# Allegro board 6089-103-RevA_73.brd (continued)
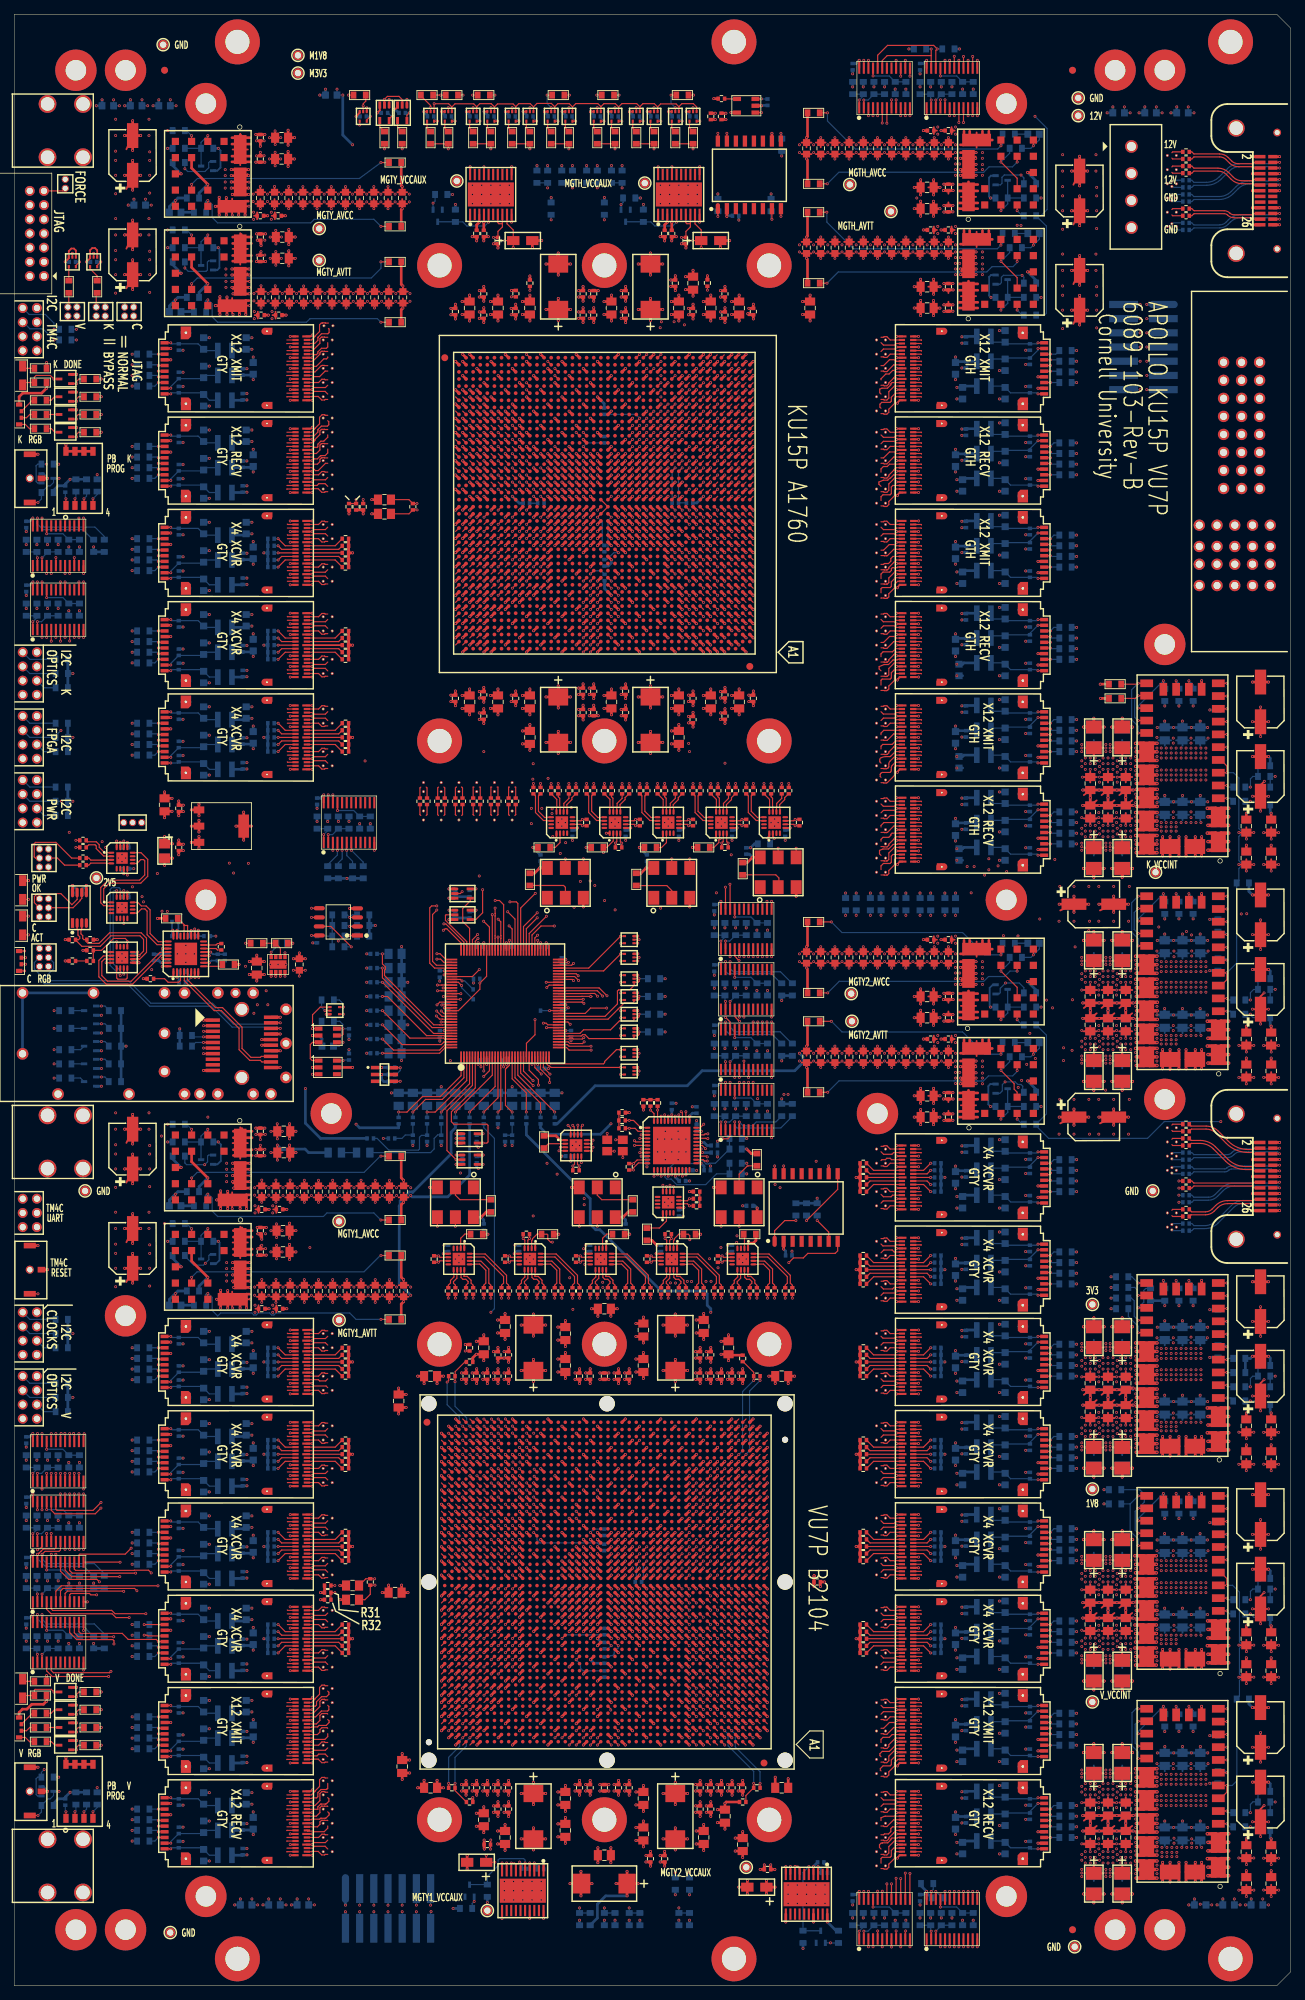
[diagram p0: board, top side]
## Routing (per net, layer and track width the routed paths; a pad name or vN(x,y) marks a point on that pad's centre or on a via; arc(x,y) is an arc through that point) (continued)
NK_FF2_XMIT0: length 36.8
  TOP w0.165: U65.AG7 98.17,214.87 ; 127.9,205.35 127.85,205.4 U106.B17
  SIG3 w0.083: 98.17,214.87 98.16,214.85 97.78,214.85 97.78,215.1 arc(97.78,215.13) 97.8,215.16 97.93,215.29 arc(97.96,215.31) 97.99,215.32 102.99,215.32 103.63,215.32 arc(104.8,215.09) 105.79,214.42 111.79,208.42 arc(112.92,207.66) 114.25,207.4 116.47,207.4 arc(116.51,207.38) 116.52,207.35 arc(116.54,207.31) 116.58,207.29 116.8,207.29 arc(116.84,207.31) 116.85,207.35 arc(116.87,207.38) 116.91,207.4 117.13,207.4 arc(117.17,207.38) 117.18,207.35 arc(117.2,207.31) 117.24,207.29 117.46,207.29 arc(117.5,207.31) 117.51,207.35 arc(117.53,207.38) 117.57,207.4 117.79,207.4 arc(117.83,207.38) 117.84,207.35 arc(117.86,207.31) 117.9,207.29 118.12,207.29 arc(118.16,207.31) 118.17,207.35 arc(118.19,207.38) 118.23,207.4 121.76,207.4 arc(122.54,207.24) 123.2,206.8 124,206.01 arc(124.55,205.64) 125.2,205.51 127.74,205.51 127.9,205.35
NK_FF2_XMIT1: length 30.8
  TOP w0.165: U65.AF5 100.17,213.87 ; 122.2,205.52 122.54,205.18 124.12,205.18 124.34,205.4 U106.A17
  SIG1 w0.083: 100.17,213.87 100.11,213.81 99.85,213.81 99.85,214.14 arc(99.86,214.17) 99.88,214.19 99.91,214.23 arc(99.94,214.25) 99.97,214.25 109.81,214.25 arc(110.8,214.05) 111.64,213.49 116.02,209.12 arc(116.04,209.07) 116.02,209.02 arc(115.99,208.97) 116.02,208.91 116.15,208.78 arc(116.2,208.76) 116.25,208.78 arc(116.3,208.8) 116.35,208.78 116.48,208.65 arc(116.5,208.6) 116.48,208.55 arc(116.46,208.5) 116.48,208.45 116.61,208.32 arc(116.66,208.3) 116.72,208.32 arc(116.77,208.34) 116.82,208.32 116.95,208.18 arc(116.97,208.13) 116.95,208.08 arc(116.93,208.03) 116.95,207.98 117.08,207.85 arc(117.13,207.83) 117.18,207.85 arc(117.23,207.87) 117.28,207.85 118.78,206.35 arc(119.4,205.94) 120.14,205.79 120.76,205.79 arc(120.9,205.76) 121.01,205.69 121.04,205.66 arc(121.19,205.55) 121.37,205.52 122.2,205.52
NK_FF2_XMIT2: length 36.7
  TOP w0.165: U106.B14 127.85,203.9 127.9,203.85 ; U65.AE7 98.17,212.87
  SIG3 w0.083: 127.9,203.85 127.74,204.01 124.48,204.01 arc(123.89,204.13) 123.39,204.47 123.28,204.57 arc(122.98,204.77) 122.64,204.84 118.56,204.84 arc(118.52,204.82) 118.5,204.78 arc(118.48,204.73) 118.44,204.71 118.23,204.71 arc(118.19,204.73) 118.17,204.78 arc(118.15,204.82) 118.11,204.84 117.91,204.84 arc(117.86,204.82) 117.84,204.78 arc(117.82,204.73) 117.78,204.71 117.58,204.71 arc(117.53,204.73) 117.51,204.78 arc(117.49,204.82) 117.45,204.84 117.25,204.84 arc(117.2,204.82) 117.18,204.78 arc(117.16,204.73) 117.12,204.71 116.92,204.71 arc(116.87,204.73) 116.85,204.78 arc(116.83,204.82) 116.79,204.84 115.29,204.84 arc(113.63,205.17) 112.22,206.11 arc(112.21,206.12) 112.2,206.12 105.75,212.58 arc(104.93,213.13) 103.96,213.32 97.97,213.32 arc(97.94,213.31) 97.91,213.29 97.83,213.21 arc(97.81,213.19) 97.81,213.16 97.81,212.81 98.11,212.81 98.17,212.87
NK_FF2_XMIT3: length 30.6
  TOP w0.165: U65.AD5 100.17,211.87 ; 122.2,203.52 122.56,203.52 122.64,203.44 123.03,203.44 123.49,203.9 U106.A14
  SIG1 w0.083: 122.2,203.52 121.33,203.52 arc(121.15,203.56) 120.99,203.66 120.98,203.67 arc(120.89,203.73) 120.78,203.75 120.1,203.75 arc(119.11,203.95) 118.26,204.51 116.28,206.49 arc(116.25,206.5) 116.22,206.49 arc(116.19,206.48) 116.16,206.49 115.99,206.66 arc(115.97,206.69) 115.99,206.72 arc(116,206.76) 115.99,206.79 115.82,206.96 arc(115.78,206.97) 115.75,206.96 arc(115.72,206.95) 115.69,206.96 115.52,207.13 arc(115.51,207.16) 115.52,207.19 arc(115.53,207.22) 115.52,207.25 111.66,211.12 111.66,211.12 arc(110.43,211.93) 108.99,212.22 99.84,212.22 arc(99.8,212.21) 99.78,212.2 99.75,212.17 99.7,212.05 99.7,211.85 100.15,211.85 100.17,211.87
NK_FF2_XMIT4: length 36.5
  TOP w0.165: U106.B11 127.85,202.4 127.9,202.35 ; U65.AC7 98.17,210.87
  SIG3 w0.083: 98.17,210.87 97.86,210.87 97.78,210.96 97.78,211.17 arc(97.78,211.21) 97.8,211.23 97.83,211.27 arc(97.86,211.28) 97.89,211.29 104.27,211.29 arc(105.17,211.11) 105.93,210.6 112.7,203.83 arc(113.73,203.14) 114.95,202.9 117.32,202.9 arc(117.35,202.88) 117.37,202.85 arc(117.38,202.81) 117.42,202.79 117.65,202.79 arc(117.68,202.81) 117.7,202.85 arc(117.71,202.88) 117.75,202.9 117.98,202.9 arc(118.01,202.88) 118.03,202.85 arc(118.04,202.81) 118.08,202.79 118.31,202.79 arc(118.34,202.81) 118.36,202.85 arc(118.37,202.88) 118.41,202.9 118.64,202.9 arc(118.67,202.88) 118.69,202.85 arc(118.7,202.81) 118.74,202.79 118.97,202.79 arc(119,202.81) 119.02,202.85 arc(119.03,202.88) 119.07,202.9 123.6,202.9 arc(123.74,202.87) 123.86,202.79 123.93,202.72 arc(124.16,202.57) 124.44,202.51 127.74,202.51 127.9,202.35
NK_FF2_XMIT5: length 30.8
  TOP w0.165: U106.A11 123.99,202.4 123.11,201.52 123.04,201.52 123.01,201.49 122.66,201.49 122.63,201.52 122.2,201.52 ; U65.AB5 100.17,209.87
  SIG1 w0.083: 100.17,209.87 99.93,209.87 99.86,209.95 99.86,210.2 arc(99.86,210.23) 99.88,210.26 99.91,210.29 arc(99.94,210.31) 99.97,210.32 108.2,210.32 arc(109.95,209.97) 111.43,208.98 114.74,205.67 115.19,205.22 arc(115.21,205.17) 115.19,205.13 115.19,205.13 arc(115.17,205.08) 115.19,205.03 115.33,204.89 arc(115.37,204.87) 115.42,204.89 arc(115.47,204.91) 115.52,204.89 115.66,204.76 arc(115.68,204.71) 115.66,204.66 arc(115.64,204.61) 115.66,204.56 115.79,204.43 arc(115.84,204.41) 115.89,204.43 arc(115.94,204.45) 115.99,204.43 116.12,204.29 arc(116.14,204.24) 116.12,204.19 arc(116.1,204.14) 116.12,204.09 116.26,203.96 arc(116.31,203.94) 116.36,203.96 arc(116.4,203.98) 116.45,203.96 118.05,202.36 arc(118.73,201.91) 119.52,201.75 120.81,201.75 arc(120.89,201.73) 120.97,201.68 121.02,201.63 arc(121.14,201.55) 121.29,201.52 122.2,201.52
NK_FF2_XMIT6: length 36.3
  TOP w0.165: U65.AA7 98.17,207.93 ; U106.B8 127.85,200.9 127.9,200.85
  SIG3 w0.083: 127.9,200.85 127.74,201.01 124.2,201.01 arc(124.07,200.99) 123.96,200.91 123.88,200.83 arc(123.72,200.73) 123.54,200.69 119.21,200.69 arc(119.16,200.67) 119.14,200.63 arc(119.12,200.58) 119.08,200.56 118.88,200.56 arc(118.83,200.58) 118.81,200.63 arc(118.79,200.67) 118.75,200.69 118.55,200.69 arc(118.5,200.67) 118.48,200.63 arc(118.46,200.58) 118.42,200.56 118.22,200.56 arc(118.17,200.58) 118.15,200.63 arc(118.13,200.67) 118.09,200.69 117.89,200.69 arc(117.84,200.67) 117.82,200.63 arc(117.8,200.58) 117.76,200.56 117.56,200.56 arc(117.51,200.58) 117.49,200.63 arc(117.47,200.67) 117.43,200.69 113.36,200.69 arc(112.49,200.86) 111.76,201.35 104.92,208.2 arc(104.89,208.22) 104.85,208.25 arc(104.81,208.27) 104.77,208.28 arc(104.73,208.3) 104.69,208.3 97.93,208.3 arc(97.84,208.26) 97.81,208.18 97.81,207.93 98.17,207.93
NK_FF2_XMIT7: length 30.7
  TOP w0.165: 122.2,199.52 122.63,199.52 122.66,199.49 123.01,199.49 123.04,199.52 123.11,199.52 123.3,199.71 123.3,199.85 124,200.55 124,200.56 124.23,200.79 124.24,200.79 124.35,200.9 U106.A8 ; U65.Y5 100.17,206.93
  SIG1 w0.083: 100.17,206.93 99.87,206.93 99.79,207.01 99.79,207.16 arc(99.8,207.19) 99.82,207.21 99.85,207.25 arc(99.88,207.27) 99.91,207.27 102.36,207.27 102.36,207.27 103.03,207.27 104.03,207.27 108.7,207.27 arc(110.53,206.88) 112.08,205.84 114.88,203.03 arc(114.9,202.98) 114.88,202.94 arc(114.86,202.89) 114.88,202.84 115.02,202.7 arc(115.07,202.68) 115.12,202.7 arc(115.16,202.72) 115.21,202.7 115.35,202.56 arc(115.37,202.52) 115.35,202.47 arc(115.33,202.42) 115.35,202.37 115.49,202.24 arc(115.54,202.22) 115.58,202.24 arc(115.63,202.26) 115.68,202.24 115.82,202.1 arc(115.84,202.05) 115.82,202 115.82,202 arc(115.8,201.95) 115.82,201.91 115.96,201.77 arc(116,201.75) 116.05,201.77 arc(116.1,201.79) 116.15,201.77 117.47,200.44 arc(118.18,199.97) 119.02,199.8 120.68,199.8 arc(120.79,199.78) 120.88,199.72 120.94,199.66 arc(121.1,199.56) 121.28,199.52 122.2,199.52
NK_FF2_XMIT8: length 36.4
  TOP w0.165: U65.W7 98.17,205.93 ; U106.B5 127.85,199.4 127.9,199.35
  SIG3 w0.083: 98.17,205.93 98.16,205.91 97.85,205.91 97.85,206.22 arc(97.86,206.26) 97.88,206.28 97.91,206.32 arc(97.94,206.33) 97.97,206.34 103.9,206.34 arc(104.42,206.24) 104.85,205.95 110.74,200.06 arc(112.26,199.05) 114.05,198.69 117.6,198.69 arc(117.65,198.67) 117.67,198.62 arc(117.69,198.56) 117.75,198.54 117.93,198.54 arc(117.98,198.56) 118,198.62 arc(118.02,198.67) 118.08,198.69 118.26,198.69 arc(118.31,198.67) 118.33,198.62 arc(118.35,198.56) 118.41,198.54 118.59,198.54 arc(118.64,198.56) 118.66,198.62 arc(118.68,198.67) 118.74,198.69 118.92,198.69 arc(118.97,198.67) 118.99,198.62 arc(119.01,198.56) 119.07,198.54 119.25,198.54 arc(119.3,198.56) 119.32,198.62 arc(119.34,198.67) 119.4,198.69 122.43,198.69 arc(122.76,198.76) 123.04,198.94 123.4,199.3 arc(123.63,199.46) 123.91,199.51 127.74,199.51 127.9,199.35
NK_FF2_XMIT9: length 31.2
  TOP w0.165: U65.V5 100.17,204.93 ; U106.A5 124.33,199.4 123.3,198.37 123.3,197.71 123.11,197.52 123.04,197.52 123.01,197.49 122.66,197.49 122.63,197.52 122.2,197.52
  SIG1 w0.083: 122.2,197.52 121.39,197.52 arc(121.24,197.55) 121.12,197.63 121.09,197.66 arc(120.99,197.73) 120.87,197.75 118.77,197.75 arc(117.84,197.93) 117.06,198.46 115.07,200.45 arc(115.03,200.47) 115,200.45 arc(114.96,200.44) 114.93,200.45 114.76,200.62 arc(114.75,200.65) 114.76,200.69 arc(114.78,200.72) 114.76,200.75 114.6,200.92 arc(114.57,200.93) 114.53,200.92 arc(114.5,200.9) 114.46,200.92 114.3,201.08 arc(114.28,201.12) 114.3,201.15 arc(114.31,201.19) 114.3,201.22 111.55,203.97 arc(110,205.01) 108.17,205.37 99.82,205.37 arc(99.79,205.36) 99.76,205.35 99.73,205.31 arc(99.71,205.29) 99.7,205.25 99.7,205.01 99.79,204.93 100.17,204.93
NK_FF2_XMIT10: length 36.6
  TOP w0.165: U106.B2 127.85,197.9 127.9,197.85 ; U65.U7 98.17,203.93
  SIG3 w0.083: 127.9,197.85 127.74,198.01 124.78,198.01 arc(124.44,197.94) 124.14,197.75 123.48,197.08 arc(123.04,196.79) 122.53,196.69 119.61,196.69 arc(119.56,196.67) 119.54,196.62 arc(119.52,196.57) 119.47,196.55 119.28,196.55 arc(119.23,196.57) 119.21,196.62 arc(119.19,196.67) 119.14,196.69 118.95,196.69 arc(118.9,196.67) 118.88,196.62 arc(118.86,196.57) 118.81,196.55 118.62,196.55 arc(118.57,196.57) 118.55,196.62 arc(118.53,196.67) 118.48,196.69 118.29,196.69 arc(118.24,196.67) 118.22,196.62 arc(118.2,196.57) 118.15,196.55 117.96,196.55 arc(117.91,196.57) 117.89,196.62 arc(117.87,196.67) 117.82,196.69 113.45,196.69 arc(112.21,196.94) 111.16,197.64 104.79,204 arc(104.42,204.25) 103.98,204.34 97.93,204.34 arc(97.89,204.33) 97.87,204.32 97.83,204.28 arc(97.82,204.26) 97.81,204.22 97.81,204.01 97.89,203.93 98.17,203.93
NK_FF2_XMIT11: length 31.6
  TOP w0.165: 122.2,195.52 122.22,195.54 122.61,195.54 122.66,195.49 123.01,195.49 123.06,195.54 123.13,195.54 123.3,195.71 123.3,196.15 124.1,196.95 124.1,197.22 124.1,197.45 124.55,197.9 U106.A2 ; U65.T5 100.17,202.93
  SIG1 w0.083: 100.17,202.93 99.86,202.93 99.78,203.01 99.78,203.25 arc(99.78,203.29) 99.8,203.31 99.84,203.35 arc(99.86,203.36) 99.9,203.37 108.24,203.37 arc(109.99,203.02) 111.46,202.04 115.09,198.41 arc(115.1,198.38) 115.09,198.35 arc(115.07,198.31) 115.09,198.28 115.25,198.11 arc(115.29,198.1) 115.32,198.11 arc(115.35,198.13) 115.39,198.11 115.55,197.95 arc(115.57,197.91) 115.55,197.88 115.55,197.88 arc(115.54,197.85) 115.55,197.81 115.72,197.65 arc(115.75,197.63) 115.79,197.65 arc(115.82,197.66) 115.85,197.65 116.02,197.48 arc(116.03,197.45) 116.02,197.41 arc(116.01,197.38) 116.02,197.35 116.19,197.18 arc(116.22,197.17) 116.25,197.18 arc(116.29,197.19) 116.32,197.18 117.16,196.34 arc(117.79,195.92) 118.53,195.77 121.03,195.77 arc(121.15,195.75) 121.24,195.69 121.3,195.63 arc(121.41,195.55) 121.54,195.53 122.19,195.53 122.2,195.52
NK_FF3_RECV0: length 28.7
  TOP w0.165: U65.AW3 102.17,226.87 ; U105.A17 124.34,218.4 124.13,218.18 122.54,218.18 122.2,218.52
  SIG4 w0.083: 122.2,218.52 121.52,218.52 arc(121.32,218.56) 121.15,218.67 121.15,218.67 arc(121.04,218.75) 120.9,218.77 120.81,218.77 arc(120.69,218.8) 120.59,218.86 119.86,219.59 arc(119.83,219.61) 119.79,219.59 119.79,219.59 arc(119.75,219.57) 119.71,219.59 119.56,219.75 arc(119.54,219.79) 119.56,219.82 arc(119.57,219.86) 119.56,219.9 119.4,220.06 arc(119.36,220.07) 119.32,220.06 arc(119.29,220.04) 119.25,220.06 119.09,220.22 arc(119.07,220.25) 119.09,220.29 arc(119.1,220.33) 119.09,220.36 118.93,220.52 arc(118.89,220.54) 118.86,220.52 arc(118.82,220.51) 118.78,220.52 118.62,220.68 arc(118.61,220.72) 118.62,220.76 arc(118.64,220.79) 118.62,220.83 112.86,226.59 arc(112.14,227.07) 111.29,227.24 101.92,227.24 arc(101.82,227.2) 101.78,227.1 101.78,226.96 101.86,226.87 102.17,226.87
NK_FF3_RECV1: length 30.2
  TOP w0.165: 127.9,218.35 127.85,218.4 U105.B17 ; U65.AV1 104.17,225.87
  SIG2 w0.083: 127.9,218.35 127.61,218.35 127.49,218.47 126.41,218.47 arc(125.97,218.55) 125.61,218.8 124.66,219.74 arc(124.37,219.94) 124.03,220 118.57,220 arc(118.53,219.99) 118.51,219.94 arc(118.5,219.9) 118.45,219.88 118.24,219.88 arc(118.2,219.9) 118.18,219.94 arc(118.17,219.99) 118.12,220 117.91,220 arc(117.87,219.99) 117.85,219.94 arc(117.84,219.9) 117.79,219.88 117.58,219.88 arc(117.54,219.9) 117.52,219.94 arc(117.51,219.99) 117.46,220 117.25,220 arc(117.21,219.99) 117.19,219.94 arc(117.18,219.9) 117.13,219.88 116.92,219.88 arc(116.88,219.9) 116.86,219.94 arc(116.85,219.99) 116.8,220 112.27,220 arc(111.03,220.25) 109.98,220.96 104.62,226.32 103.95,226.32 arc(103.92,226.31) 103.89,226.29 103.79,226.19 arc(103.77,226.16) 103.76,226.13 103.76,225.88 103.77,225.87 104.17,225.87
NK_FF3_RECV2: length 28.7
  TOP w0.165: 122.2,216.52 122.56,216.52 122.64,216.44 123.03,216.44 123.49,216.9 U105.A14 ; U65.AU3 102.17,224.87
  SIG4 w0.083: 102.17,224.87 101.83,224.87 101.8,224.9 101.8,225.12 arc(101.81,225.19) 101.85,225.24 101.86,225.25 arc(101.89,225.27) 101.92,225.27 110.41,225.27 arc(111.95,224.97) 113.26,224.1 117.81,219.55 arc(117.82,219.51) 117.81,219.47 arc(117.79,219.43) 117.81,219.39 117.96,219.24 arc(118,219.22) 118.04,219.24 arc(118.08,219.25) 118.12,219.24 118.27,219.08 arc(118.29,219.04) 118.27,219 arc(118.26,218.96) 118.27,218.93 118.43,218.77 arc(118.47,218.75) 118.51,218.77 arc(118.55,218.79) 118.58,218.77 118.74,218.61 arc(118.76,218.57) 118.74,218.54 arc(118.73,218.5) 118.74,218.46 118.9,218.3 arc(118.94,218.29) 118.97,218.3 arc(119.01,218.32) 119.05,218.3 120.43,216.92 arc(120.57,216.83) 120.73,216.8 120.9,216.8 arc(121.04,216.77) 121.16,216.69 121.22,216.63 arc(121.34,216.55) 121.49,216.52 122.2,216.52
NK_FF3_RECV3: length 30
  TOP w0.165: 127.9,216.85 127.85,216.9 U105.B14 ; U65.AT1 104.17,223.87
  SIG2 w0.083: 104.17,223.87 104.16,223.86 103.82,223.86 103.82,224.18 arc(103.82,224.21) 103.84,224.24 103.88,224.27 arc(103.9,224.29) 103.93,224.3 104.45,224.3 109.91,218.85 arc(111.09,218.06) 112.48,217.78 117.02,217.78 arc(117.06,217.76) 117.08,217.72 arc(117.1,217.67) 117.14,217.65 117.35,217.65 arc(117.39,217.67) 117.41,217.72 arc(117.43,217.76) 117.47,217.78 117.68,217.78 arc(117.72,217.76) 117.74,217.72 arc(117.76,217.67) 117.81,217.65 118.01,217.65 arc(118.05,217.67) 118.07,217.72 arc(118.09,217.76) 118.14,217.78 118.34,217.78 arc(118.38,217.76) 118.4,217.72 arc(118.42,217.67) 118.47,217.65 118.67,217.65 arc(118.71,217.67) 118.73,217.72 arc(118.75,217.76) 118.8,217.78 123.44,217.78 arc(123.7,217.73) 123.93,217.58 124.29,217.21 arc(124.53,217.05) 124.81,217 127.46,217 127.61,216.85 127.9,216.85
NK_FF3_RECV4: length 28.9
  TOP w0.165: 122.2,214.52 122.56,214.52 122.64,214.44 123.03,214.44 123.99,215.4 U105.A11 ; U65.AR3 102.17,222.87
  SIG4 w0.083: 102.17,222.87 101.88,222.87 arc(101.82,222.9) 101.8,222.96 101.8,223.17 arc(101.84,223.26) 101.93,223.3 110.24,223.3 arc(111.87,222.98) 113.25,222.05 117,218.3 arc(117.02,218.26) 117,218.23 arc(116.99,218.19) 117,218.16 117.17,218 arc(117.2,217.98) 117.24,218 arc(117.27,218.01) 117.31,218 117.47,217.83 arc(117.49,217.8) 117.47,217.76 arc(117.46,217.73) 117.47,217.69 117.64,217.53 arc(117.67,217.51) 117.7,217.53 arc(117.74,217.54) 117.77,217.53 117.94,217.37 arc(117.95,217.33) 117.94,217.3 arc(117.92,217.26) 117.94,217.23 118.1,217.06 arc(118.14,217.05) 118.17,217.06 arc(118.21,217.08) 118.24,217.06 120.39,214.91 arc(120.52,214.83) 120.66,214.8 120.72,214.8 arc(120.89,214.77) 121.03,214.67 121.07,214.63 arc(121.19,214.55) 121.34,214.52 122.2,214.52
NK_FF3_RECV5: length 29.9
  TOP w0.165: 127.9,215.35 127.85,215.4 U105.B11 ; U65.AP1 104.17,221.87
  SIG2 w0.083: 104.17,221.87 104.15,221.85 103.81,221.85 103.81,222.2 arc(103.82,222.23) 103.83,222.26 103.87,222.29 arc(103.89,222.31) 103.93,222.31 104.66,222.31 110.1,216.88 arc(111.26,216.1) 112.64,215.82 117.3,215.82 arc(117.35,215.8) 117.37,215.75 arc(117.39,215.7) 117.44,215.68 117.63,215.68 arc(117.68,215.7) 117.7,215.75 arc(117.72,215.8) 117.77,215.82 117.96,215.82 arc(118.01,215.8) 118.03,215.75 arc(118.05,215.7) 118.1,215.68 118.29,215.68 arc(118.34,215.7) 118.36,215.75 arc(118.38,215.8) 118.43,215.82 118.62,215.82 arc(118.67,215.8) 118.69,215.75 arc(118.71,215.7) 118.76,215.68 118.95,215.68 arc(119,215.7) 119.02,215.75 arc(119.04,215.8) 119.09,215.82 125.65,215.82 arc(125.82,215.79) 125.96,215.69 125.98,215.67 arc(126.21,215.52) 126.47,215.47 127.49,215.47 127.61,215.35 127.9,215.35
NK_FF3_RECV6: length 29.2
  TOP w0.165: U105.A8 124.35,213.9 124.24,213.79 124.23,213.79 124,213.56 124,213.55 123.3,212.85 123.3,212.71 123.03,212.44 122.64,212.44 122.56,212.52 122.2,212.52 ; U65.AN3 102.17,220.87
  SIG4 w0.083: 122.2,212.52 122.19,212.53 121.52,212.53 arc(121.42,212.55) 121.34,212.6 121.23,212.71 arc(121.13,212.78) 121.01,212.8 120.71,212.8 arc(120.52,212.84) 120.35,212.95 118.3,215 arc(118.27,215.01) 118.24,215 arc(118.21,214.98) 118.18,215 118.01,215.17 arc(118,215.2) 118.01,215.23 arc(118.02,215.26) 118.01,215.29 117.84,215.46 arc(117.81,215.48) 117.78,215.46 arc(117.75,215.45) 117.72,215.46 117.54,215.64 arc(117.53,215.67) 117.54,215.7 arc(117.56,215.73) 117.54,215.76 117.37,215.93 arc(117.34,215.94) 117.31,215.93 arc(117.28,215.92) 117.25,215.93 117.08,216.1 arc(117.06,216.13) 117.08,216.16 arc(117.09,216.19) 117.08,216.22 112.82,220.48 arc(111.91,221.09) 110.84,221.3 101.92,221.3 arc(101.82,221.26) 101.78,221.16 101.78,220.96 101.86,220.87 102.17,220.87
NK_FF3_RECV7: length 29.8
  TOP w0.165: U65.AM1 104.17,219.87 ; 127.9,213.85 127.85,213.9 U105.B8
  SIG2 w0.083: 127.9,213.85 127.61,213.85 127.45,214.01 125.83,214.01 arc(125.79,214) 125.76,213.98 125.74,213.97 arc(125.62,213.88) 125.47,213.85 118.91,213.85 arc(118.86,213.84) 118.84,213.79 arc(118.82,213.74) 118.78,213.73 118.58,213.73 arc(118.53,213.74) 118.51,213.79 arc(118.49,213.84) 118.45,213.85 118.25,213.85 arc(118.2,213.84) 118.18,213.79 arc(118.16,213.74) 118.12,213.73 117.92,213.73 arc(117.87,213.74) 117.85,213.79 arc(117.83,213.84) 117.79,213.85 117.59,213.85 arc(117.54,213.84) 117.52,213.79 arc(117.5,213.74) 117.46,213.73 117.26,213.73 arc(117.21,213.74) 117.19,213.79 arc(117.17,213.84) 117.13,213.85 112.45,213.85 arc(111.2,214.1) 110.15,214.81 104.64,220.32 103.92,220.32 arc(103.89,220.31) 103.86,220.29 103.82,220.26 arc(103.81,220.23) 103.8,220.2 103.8,219.85 104.15,219.85 104.17,219.87
NK_FF3_RECV8: length 30
  TOP w0.165: 122.2,210.52 122.56,210.52 122.64,210.44 123.03,210.44 123.3,210.71 123.3,211.62 124.08,212.4 U105.A5 ; U65.AL3 102.17,218.87
  SIG4 w0.083: 122.2,210.52 121.32,210.52 arc(121.24,210.54) 121.17,210.58 121.07,210.68 arc(120.99,210.73) 120.9,210.75 120.79,210.75 arc(120.71,210.77) 120.64,210.81 118.3,213.16 arc(118.26,213.17) 118.22,213.16 arc(118.18,213.14) 118.14,213.16 117.99,213.31 arc(117.97,213.35) 117.99,213.39 arc(118,213.43) 117.99,213.47 117.83,213.62 arc(117.79,213.64) 117.75,213.62 arc(117.71,213.61) 117.67,213.62 117.52,213.78 arc(117.5,213.82) 117.52,213.86 arc(117.53,213.9) 117.52,213.94 117.36,214.09 arc(117.32,214.11) 117.28,214.09 arc(117.25,214.07) 117.21,214.09 117.05,214.25 arc(117.04,214.29) 117.05,214.32 arc(117.07,214.36) 117.05,214.4 113.39,218.06 arc(112,218.99) 110.36,219.32 101.93,219.32 arc(101.82,219.28) 101.78,219.17 101.78,218.92 101.82,218.87 102.17,218.87
NK_FF3_RECV9: length 29.8
  TOP w0.165: 127.9,212.35 127.85,212.4 U105.B5 ; U65.AK1 104.17,217.87
  SIG2 w0.083: 127.9,212.35 127.61,212.35 127.45,212.51 124.34,212.51 arc(124.02,212.45) 123.76,212.27 123.62,212.14 arc(123.27,211.9) 122.86,211.82 119.07,211.82 arc(119.03,211.8) 119.02,211.77 arc(119,211.73) 118.97,211.72 118.74,211.72 arc(118.7,211.73) 118.69,211.77 arc(118.67,211.8) 118.64,211.82 118.41,211.82 arc(118.37,211.8) 118.36,211.77 arc(118.34,211.73) 118.31,211.72 118.08,211.72 arc(118.04,211.73) 118.03,211.77 arc(118.01,211.8) 117.98,211.82 117.75,211.82 arc(117.71,211.8) 117.7,211.77 arc(117.68,211.73) 117.65,211.72 117.42,211.72 arc(117.38,211.73) 117.37,211.77 arc(117.35,211.8) 117.32,211.82 112.7,211.82 arc(111.52,212.05) 110.52,212.72 105.45,217.79 arc(104.87,218.18) 104.18,218.32 103.9,218.32 arc(103.86,218.31) 103.84,218.29 103.8,218.26 arc(103.78,218.23) 103.78,218.2 103.78,217.96 103.86,217.87 104.17,217.87
NK_FF3_RECV10: length 30.3
  TOP w0.165: U105.A2 124.32,210.9 124.1,210.68 124.1,210.22 124.1,209.95 123.3,209.15 123.3,208.71 123.03,208.44 122.64,208.44 122.56,208.52 122.2,208.52 ; U65.AJ3 102.17,216.87
  SIG4 w0.083: 122.2,208.52 121.54,208.52 arc(121.42,208.54) 121.32,208.61 121.19,208.74 arc(121.12,208.79) 121.03,208.8 120.91,208.8 arc(120.81,208.82) 120.72,208.88 117.58,212.03 arc(117.54,212.04) 117.5,212.03 arc(117.47,212.01) 117.43,212.03 117.27,212.19 arc(117.25,212.23) 117.27,212.26 arc(117.28,212.3) 117.27,212.33 117.11,212.5 arc(117.07,212.51) 117.04,212.5 arc(117,212.48) 116.96,212.5 116.8,212.66 arc(116.79,212.69) 116.8,212.73 arc(116.82,212.76) 116.8,212.8 116.64,212.96 arc(116.61,212.98) 116.57,212.96 arc(116.53,212.95) 116.5,212.96 116.34,213.12 arc(116.32,213.16) 116.34,213.2 arc(116.35,213.23) 116.34,213.27 113.36,216.25 arc(112.17,217.04) 110.77,217.32 101.9,217.32 arc(101.82,217.28) 101.78,217.19 101.78,217 arc(101.82,216.91) 101.9,216.87 102.17,216.87
NK_FF3_RECV11: length 29.9
  TOP w0.165: 127.9,210.85 127.85,210.9 U105.B2 ; U65.AH1 104.17,215.87
  SIG2 w0.083: 104.17,215.87 103.86,215.87 103.78,215.96 103.78,216.2 arc(103.78,216.23) 103.8,216.26 103.81,216.26 103.94,216.32 104.7,216.32 105.76,215.88 110.39,211.25 arc(111.08,210.68) 111.88,210.27 112.49,210.03 arc(112.95,209.9) 113.42,209.85 117.5,209.85 arc(117.53,209.84) 117.55,209.8 arc(117.56,209.76) 117.6,209.75 117.83,209.75 arc(117.86,209.76) 117.88,209.8 arc(117.89,209.84) 117.93,209.85 118.16,209.85 arc(118.19,209.84) 118.21,209.8 arc(118.22,209.76) 118.26,209.75 118.49,209.75 arc(118.52,209.76) 118.54,209.8 arc(118.55,209.84) 118.59,209.85 118.82,209.85 arc(118.85,209.84) 118.87,209.8 arc(118.88,209.76) 118.92,209.75 119.15,209.75 arc(119.18,209.76) 119.2,209.8 arc(119.21,209.84) 119.25,209.85 122.82,209.85 arc(123.41,209.97) 123.91,210.3 124.31,210.71 arc(124.65,210.93) 125.05,211.01 127.45,211.01 127.61,210.85 127.9,210.85
NK_FF3_XMIT0: length 37.7
  TOP w0.165: U65.AT9 96.17,223.87 ; 127.9,231.35 127.85,231.4 U104.B17
  SIG3 w0.083: 127.9,231.35 127.78,231.47 124.21,231.47 arc(123.85,231.4) 123.54,231.19 123.43,231.08 arc(123.15,230.9) 122.83,230.83 118.29,230.83 arc(118.22,230.8) 118.19,230.74 arc(118.17,230.67) 118.1,230.65 117.96,230.65 arc(117.89,230.67) 117.86,230.74 arc(117.84,230.8) 117.77,230.83 117.63,230.83 arc(117.56,230.8) 117.53,230.74 arc(117.51,230.67) 117.44,230.65 117.3,230.65 arc(117.23,230.67) 117.2,230.74 arc(117.18,230.8) 117.11,230.83 114.43,230.83 arc(112.53,230.45) 110.92,229.38 106.88,225.34 arc(105.67,224.53) 104.25,224.25 95.92,224.25 arc(95.88,224.24) 95.86,224.22 95.82,224.18 arc(95.8,224.15) 95.79,224.12 95.79,223.87 96.17,223.87 96.17,223.87
NK_FF3_XMIT1: length 30.3
  TOP w0.165: 122.2,231.52 122.54,231.18 124.12,231.18 124.34,231.4 U104.A17 ; U65.AT5 100.17,223.87
  SIG1 w0.083: 122.2,231.52 122.19,231.53 121.55,231.53 arc(121.42,231.55) 121.32,231.62 121.25,231.69 arc(121.13,231.77) 120.99,231.8 120.6,231.8 arc(120.34,231.75) 120.13,231.61 117.95,229.43 arc(117.93,229.38) 117.95,229.32 arc(117.97,229.27) 117.95,229.21 117.83,229.09 arc(117.77,229.06) 117.72,229.09 arc(117.66,229.11) 117.61,229.09 117.48,228.96 arc(117.46,228.91) 117.48,228.85 arc(117.51,228.8) 117.48,228.74 117.36,228.62 arc(117.3,228.6) 117.25,228.62 arc(117.19,228.64) 117.14,228.62 113.78,225.26 arc(113.46,225) 113.1,224.81 112.24,224.45 arc(111.85,224.33) 111.44,224.29 99.91,224.29 arc(99.82,224.26) 99.78,224.17 99.78,223.96 arc(99.8,223.9) 99.86,223.87 100.17,223.87
